# Altium PCB PCB_Kasli.PCBDOC (part 3 of 16) (continued)
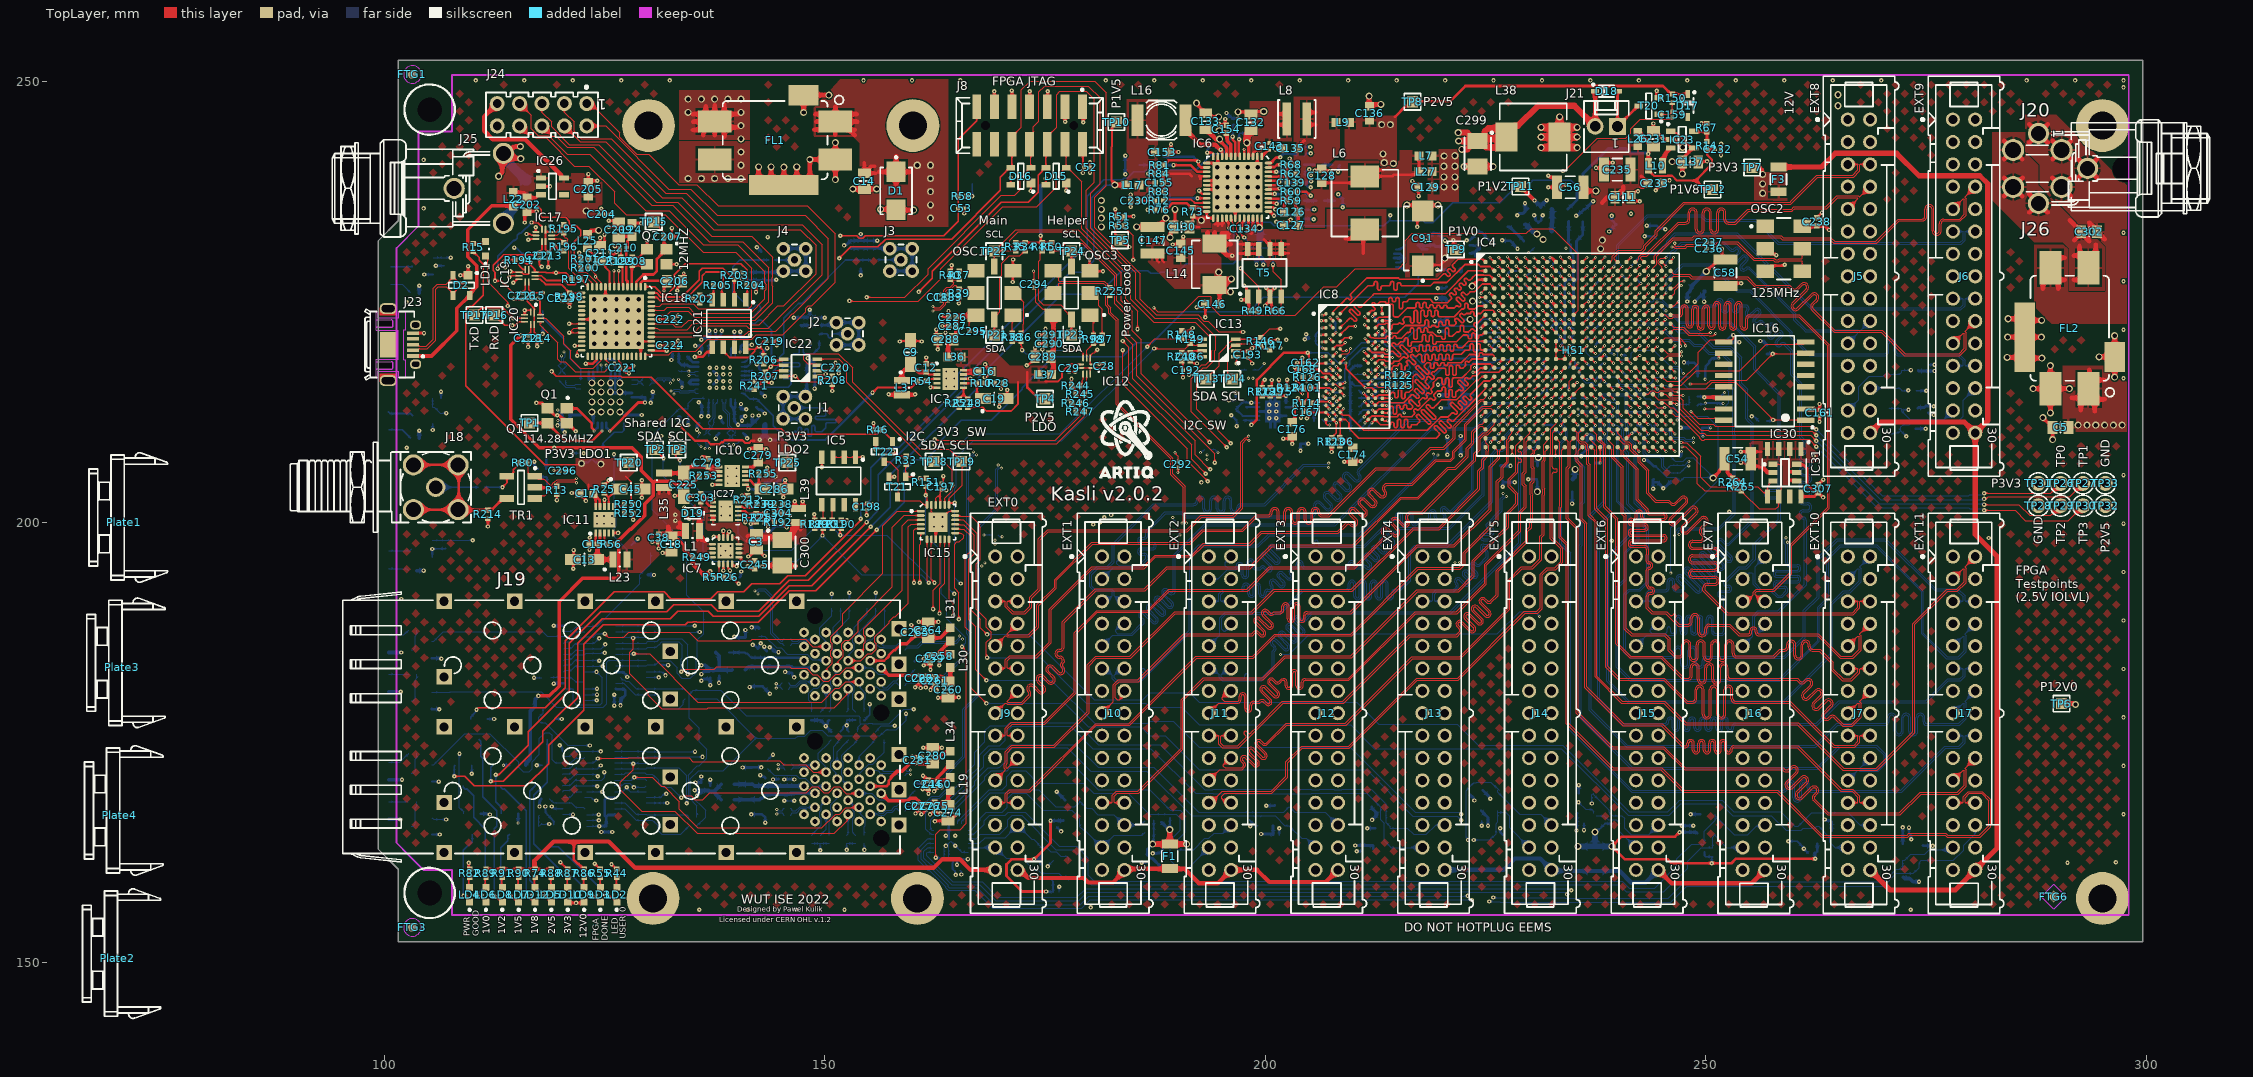
[diagram p0: TopLayer view]
## Part data (continued)
C38 C307: library part CC0402_100NF_16V_10%_X5R, "Non-polarised capacitor", Case=0402, Manufacturer=GENERIC, Manufacturer1 ComponentHeight=0.55mm, Manufacturer1 Example=MURATA, Manufacturer1 Part Number=GRM155R61C104KA88D, Tolerance=±10%, Voltage=16V, Author="CERN DEM JLC", Component Type=Standard, HelpURL=\\cern.ch\dfs\Applications\Altium\Datasheets\CC0402_X5R_MURATA_GRM.pdf, Manufacturer Part Number=CC0402_100NF_16V_10%_X5R, Mounted=Yes, Part Description="SMD Multilayer Chip Ceramic Capacitor", Part Number=CC0402_100NF_16V_10%_X5R, Pin Count=2, Sense=No, SMD=Yes, Socket=No, Status=None, TC=X5R
  C38: CreateDate=10.12.2013, LatestRevisionDate=10.12.2013
  C307: CreateDate=2013-12-10, LatestRevisionDate=2013-12-10
C43 C44 C46 C47 C48 C144 C175 C194 C195 C238: library part CC0402_10NF_16V_10%_X7R, "Non-polarised capacitor", Case=0402, Manufacturer=GENERIC, Manufacturer1 ComponentHeight=0.55mm, Manufacturer1 Example=PHYCOMP, Manufacturer1 Part Number=223878715636, Tolerance=±10%, Voltage=16V, Author="CERN DEM JLC", Component Type=Standard, CreateDate=03.12.2007, HelpURL=\\cern.ch\dfs\Applications\Altium\Datasheets\CC0402_X7R_PHYCOMP.pdf, LatestRevisionDate=03.12.2007, Manufacturer Part Number=CC0402_10NF_16V_10%_X7R, Mounted=Yes, Part Description="SMD Multilayer Chip Ceramic Capacitor", Part Number=CC0402_10NF_16V_10%_X7R, Pin Count=2, Sense=No, SMD=Yes, Socket=No, Status="Not Recommended", TC=X7R
C50 C57 C60 C101 C127 C128 C129 C135 C136 C141 C145 C146 C148 C149 C153 C173 C174 C176 C205 C233 C240: library part CC0603_22UF_6.3V_20%_X5R, "Non-polarised capacitor", Case=0603, Manufacturer=GENERIC, Manufacturer1 ComponentHeight=1mm, Manufacturer1 Example=TDK, Manufacturer1 Part Number=C1608X5R0J226M080AC, Tolerance=±20%, Voltage=6.3V, Author="CERN DEM JLC", Component Type=Standard, CreateDate=16.12.2013, HelpURL=\\cern.ch\dfs\Applications\Altium\Datasheets\CC0603_X5R_TDK_C.pdf, LatestRevisionDate=13.09.2016, Manufacturer Part Number=CC0603_22UF_6.3V_20%_X5R, Mounted=Yes, Part Description="SMD Multilayer Chip Ceramic Capacitor", Part Number=CC0603_22UF_6.3V_20%_X5R, Pin Count=2, Sense=No, SMD=Yes, Socket=No, Status=None, TC=X5R
  C50 C57 C60 C101 C205 C240: ClassName=Artix
C54 C147 C235: library part CC1210_47UF_10V_10%_X7R, "Non-polarised capacitor", Case=1210, Manufacturer=GENERIC, Manufacturer1 ComponentHeight=2.7mm, Manufacturer1 Example=MURATA, Manufacturer1 Part Number=GRM32ER71A476KE15, Tolerance=±10%, Voltage=10V, Author="CERN DEM BC", Component Type=Standard, CreateDate=18.11.2015, HelpURL=\\cern.ch\dfs\Applications\Altium\Datasheets\CC1210_X7R_MURATA.pdf, LatestRevisionDate=18.11.2015, Manufacturer Part Number=CC1210_47UF_10V_10%_X7R, Mounted=Yes, Part Description="SMD Multilayer Chip Ceramic Capacitor", Part Number=CC1210_47UF_10V_10%_X7R, Pin Count=2, Sense=No, SMD=Yes, Socket=No, Status=None, TC=X7R
C55 C61 C62 C63 C64 C65 C68 C69 C70 C73 C74 C75 C78 C79 C80 C83 C84 C85 C88 C89 C90 C95 C97 C98 C99 C100 C102 C103 C104 C105 C106 C107 C108 C117 C118 C119 C121 C242: library part CC0201_470NF_4V_20%_X5R, "Non-polarised capacitor", Case=0201, Manufacturer=GENERIC, Manufacturer1 ComponentHeight=0.33mm, Manufacturer1 Example="TAIYO YUDEN", Manufacturer1 Part Number=AMK063BJ474MP-F, Tolerance=±20%, Voltage=4V, Author="CERN DEM JLC", Component Type=Standard, CreateDate=27.05.2010, HelpURL=\\cern.ch\dfs\Applications\Altium\Datasheets\CC0201_X5R_TAIYO-YUDEN_STANDARD-CLASS2.pdf, LatestRevisionDate=27.05.2010, Manufacturer Part Number=CC0201_470NF_4V_20%_X5R, Mounted=Yes, Part Description="SMD Multilayer Chip Ceramic Capacitor", Part Number=CC0201_470NF_4V_20%_X5R, Pin Count=2, Sense=No, SMD=Yes, Socket=No, Status="Not Recommended", TC=X5R
  C61 C62 C63 C64 C65 C95 C97 C98 C99 C100: ClassName=Artix
C56 C58: library part CC1210_100UF_6.3V_20%_X5R, "Non-polarised capacitor", Case=1210, Manufacturer=GENERIC, Manufacturer1 ComponentHeight=2.7mm, Manufacturer1 Example=MURATA, Manufacturer1 Part Number=GRM32ER60J107ME20L, Tolerance=±20%, Voltage=6.3V, Author="CERN DEM JLC", Component Type=Standard, CreateDate=19.04.2010, HelpURL=\\cern.ch\dfs\Applications\Altium\Datasheets\CC1210_X5R_MURATA.pdf, LatestRevisionDate=19.04.2010, Manufacturer Part Number=CC1210_100UF_6.3V_20%_X5R, Mounted=Yes, Part Description="SMD Multilayer Chip Ceramic Capacitor", Part Number=CC1210_100UF_6.3V_20%_X5R, Pin Count=2, Sense=No, SMD=Yes, Socket=No, Status=Preferred, TC=X5R
C59 C66 C67 C71 C72 C76 C77 C81 C82 C86 C87 C92 C93 C94 C96 C109 C110 C111 C206 C209 C211 C288 C289: library part CC0805_4.7UF_10V_10%_X5R, "Non-polarised capacitor", Case=0805, Manufacturer=GENERIC, Manufacturer1 ComponentHeight=1.45mm, Manufacturer1 Example=PHYCOMP, Manufacturer1 Part Number=222224013672, Tolerance=±10%, Voltage=10V, Author="CERN DEM JLC", Component Type=Standard, CreateDate=03.12.2007, HelpURL=\\cern.ch\dfs\Applications\Altium\Datasheets\CC0805_X5R_PHYCOMP_HC.pdf, LatestRevisionDate=03.12.2007, Manufacturer Part Number=CC0805_4.7UF_10V_10%_X5R, Mounted=Yes, Part Description="SMD Multilayer Chip Ceramic Capacitor", Part Number=CC0805_4.7UF_10V_10%_X5R, Pin Count=2, Sense=No, SMD=Yes, Socket=No, Status=Preferred, TC=X5R
C91: library part CTE7343-19_330UF_2.5V_20%_LESR0025_KEMET_T520, "Polarised capacitor", Case=V, Manufacturer=KEMET, Manufacturer Part Number=T520V337M2R5ATE025, Tolerance=±20%, Voltage=2.5V, Author="CERN DEM MR", ComponentHeight=1.9mm, Component Type=Standard, CreateDate=23.03.2016, HelpURL=\\cern.ch\dfs\Applications\Altium\Datasheets\CTE-LESR_KEMET_T520.pdf, LatestRevisionDate=23.03.2016, Mounted=Yes, Part Description="Low ESR 0R025 Tantalum Chip Capacitor", Part Number=CTE7343-19_330UF_2.5V_20%_LESR0025_KEMET_T520, Pin Count=2, Sense=No, SMD=Yes, Socket=No, Status=None
C126: library part CC0603_56PF_50V_5%_NP0, "Non-polarised capacitor", Case=0603, Manufacturer=GENERIC, Manufacturer1 ComponentHeight=0.87mm, Manufacturer1 Example=PHYCOMP, Manufacturer1 Part Number=223886715569, Tolerance=±5%, Voltage=50V, Author="CERN DEM JLC", Component Type=Standard, CreateDate=03.12.2007, HelpURL=\\cern.ch\dfs\Applications\Altium\Datasheets\CC0603_NP0_PHYCOMP.pdf, LatestRevisionDate=03.12.2007, Manufacturer Part Number=CC0603_56PF_50V_5%_NP0, Mounted=Yes, Part Description="SMD Multilayer Chip Ceramic Capacitor", Part Number=CC0603_56PF_50V_5%_NP0, Pin Count=2, Sense=No, SMD=Yes, Socket=No, Status=Preferred, TC=C0G/NP0
C139 C155: library part CC0402_68PF_50V_5%_C0G, "Non-polarised capacitor", Case=0402, Manufacturer=GENERIC, Manufacturer1 ComponentHeight=0.55mm, Manufacturer1 Example=KEMET, Manufacturer1 Part Number=C0402C680J5GACTU, Tolerance=±5%, Voltage=50V, Author="CERN DEM JLC", Component Type=Standard, CreateDate=03.12.2007, HelpURL="\\cern.ch\dfs\Applications\Altium\Datasheets\CC0805_C0G_KEMET_(Commercial Grade).pdf", LatestRevisionDate=22.04.2015, Manufacturer Part Number=CC0402_68PF_50V_5%_C0G, Mounted=Yes, Part Description="SMD Multilayer Chip Ceramic Capacitor", Part Number=CC0402_68PF_50V_5%_C0G, Pin Count=2, Sense=No, SMD=Yes, Socket=No, Status=Preferred, TC=C0G/NP0
C150: library part CC0402_150PF_50V_5%_C0G, "Non-polarised capacitor", Case=0402, Manufacturer=GENERIC, Manufacturer1 ComponentHeight=0.55mm, Manufacturer1 Example=KEMET, Manufacturer1 Part Number=C0402C151J5GACTU, Tolerance=±5%, Voltage=50V, Author="CERN DEM JLC", Component Type=Standard, CreateDate=03.12.2007, HelpURL="\\cern.ch\dfs\Applications\Altium\Datasheets\CC0805_C0G_KEMET_(Commercial Grade).pdf", LatestRevisionDate=22.04.2015, Manufacturer Part Number=CC0402_150PF_50V_5%_C0G, Mounted=Yes, Part Description="SMD Multilayer Chip Ceramic Capacitor", Part Number=CC0402_150PF_50V_5%_C0G, Pin Count=2, Sense=No, SMD=Yes, Socket=No, Status=Preferred, TC=C0G/NP0
C152: library part CC0603_1.2NF_50V_10%_X7R, "Non-polarised capacitor", Case=0603, Manufacturer=GENERIC, Manufacturer1 ComponentHeight=0.87mm, Manufacturer1 Example=PHYCOMP, Manufacturer1 Part Number=223858615624, Tolerance=±10%, Voltage=50V, Author="CERN DEM JLC", Component Type=Standard, CreateDate=03.12.2007, HelpURL=\\cern.ch\dfs\Applications\Altium\Datasheets\CC0603_X7R_PHYCOMP.pdf, LatestRevisionDate=03.12.2007, Manufacturer Part Number=CC0603_1.2NF_50V_10%_X7R, Mounted=Yes, Part Description="SMD Multilayer Chip Ceramic Capacitor", Part Number=CC0603_1.2NF_50V_10%_X7R, Pin Count=2, Sense=No, SMD=Yes, Socket=No, Status=Preferred, TC=X7R
C186: library part CC0402_100PF_50V_5%_C0G, "Non-polarised capacitor", Case=0402, Manufacturer=GENERIC, Manufacturer1 ComponentHeight=0.55mm, Manufacturer1 Example=KEMET, Manufacturer1 Part Number=C0402C101J5GACTU, Tolerance=±5%, Voltage=50V, Author="CERN DEM JLC", Component Type=Standard, CreateDate=03.12.2007, HelpURL="\\cern.ch\dfs\Applications\Altium\Datasheets\CC0805_C0G_KEMET_(Commercial Grade).pdf", LatestRevisionDate=22.04.2015, Manufacturer Part Number=CC0402_100PF_50V_5%_C0G, Mounted=Yes, Part Description="SMD Multilayer Chip Ceramic Capacitor", Part Number=CC0402_100PF_50V_5%_C0G, Pin Count=2, Sense=No, SMD=Yes, Socket=No, Status=Preferred, TC=C0G/NP0
C202: library part CC0603_10UF_6.3V_20%_X5R, "Non-polarised capacitor", Case=0603, Manufacturer=GENERIC, Manufacturer1 ComponentHeight=0.95mm, Manufacturer1 Example=KEMET, Manufacturer1 Part Number=C0603C106M9PAC, Manufacturer Part Number=CC0603_10uF_6.3V_20%_X5R, Tolerance=±20%, Voltage=6.3V, Author="CERN DEM JLC", Component Type=Standard, CreateDate=2007-12-03, HelpURL=\\cern.ch\dfs\Applications\Altium\Datasheets\CC0603_X5R_KEMET.pdf, LatestRevisionDate=2007-12-03, Mounted=Yes, Part Description="SMD Multilayer Chip Ceramic Capacitor", Part Number=CC0603_10UF_6.3V_20%_X5R, Pin Count=2, Sense=No, SMD=Yes, Socket=No, Status=Preferred, TC=X5R
C207 C208 C243: library part CC0402_22PF_50V_5%_C0G, "Non-polarised capacitor", Case=0402, Manufacturer=GENERIC, Manufacturer1 ComponentHeight=0.55mm, Manufacturer1 Example=KEMET, Manufacturer1 Part Number=C0402C220J5GACTU, Tolerance=±5%, Voltage=50V, Author="CERN DEM JLC", Component Type=Standard, HelpURL="\\cern.ch\dfs\Applications\Altium\Datasheets\CC0805_C0G_KEMET_(Commercial Grade).pdf", Manufacturer Part Number=CC0402_22PF_50V_5%_C0G, Mounted=Yes, Part Description="SMD Multilayer Chip Ceramic Capacitor", Part Number=CC0402_22PF_50V_5%_C0G, Pin Count=2, Sense=No, SMD=Yes, Socket=No, Status=Preferred, TC=C0G/NP0
  C207 C208: CreateDate=03.12.2007, LatestRevisionDate=03.12.2007
  C243: CreateDate=2007-12-03, LatestRevisionDate=2007-12-03
C230: library part CC0402_2.2NF_50V_10%_X7R, "Non-polarised capacitor", Case=0402, Manufacturer=GENERIC, Manufacturer1 ComponentHeight=0.55mm, Manufacturer1 Example=PHYCOMP, Manufacturer1 Part Number=223858715627, Tolerance=±10%, Voltage=50V, Author="CERN DEM JLC", Component Type=Standard, CreateDate=03.12.2007, HelpURL=\\cern.ch\dfs\Applications\Altium\Datasheets\CC0402_X7R_PHYCOMP.pdf, LatestRevisionDate=03.12.2007, Manufacturer Part Number=CC0402_2.2NF_50V_10%_X7R, Mounted=Yes, Part Description="SMD Multilayer Chip Ceramic Capacitor", Part Number=CC0402_2.2NF_50V_10%_X7R, Pin Count=2, Sense=No, SMD=Yes, Socket=No, Status="Not Recommended", TC=X7R
C299 C300: library part CTE3528-21_33UF_16V_10%, "Polarised capacitor", Case=B, Manufacturer=GENERIC, Manufacturer1 ComponentHeight=2.1mm, Manufacturer1 Example=AVX, Manufacturer1 Part Number=TAJB336K016R, Tolerance=±10%, Voltage=16V, Author="CERN DEM JLC", Component Type=Standard, CreateDate=03.12.2007, HelpURL=\\cern.ch\dfs\Applications\Altium\Datasheets\CTE_AVX_TAJ.pdf, LatestRevisionDate=03.12.2007, Manufacturer Part Number=CTE3528-21_33UF_16V_10%, Mounted=Yes, Part Description="Solid Tantalum Chip Capacitor", Part Number=CTE3528-21_33UF_16V_10%, Pin Count=2, Sense=No, SMD=Yes, Socket=No, Status=Preferred
C303: library part CC0402_470NF_50V_10%_X5R, "Non-polarised capacitor", Case=0402, Manufacturer=GENERIC, Manufacturer1 ComponentHeight=0.55mm, Manufacturer1 Example=MURATA, Manufacturer1 Part Number=GRM155R61H474KE11, Tolerance=±10%, Voltage=50V, Author="CERN DEM MR", Component Type=Standard, CreateDate=2017-10-12, HelpURL=\\cern.ch\dfs\Applications\Altium\Datasheets\CC0402_X5R_MURATA_GRM.pdf, LatestRevisionDate=2017-10-12, Manufacturer Part Number=CC0402_470NF_50V_10%_X5R, Mounted=Yes, Part Description="SMD Multilayer Chip Ceramic Capacitor", Part Number=CC0402_470NF_50V_10%_X5R, Pin Count=2, Sense=No, SMD=Yes, Socket=No, Status=Preferred, TC=X5R
C304: library part CC0402_680PF_50V_5%_X7R, "Non-polarised capacitor", Case=0402, Manufacturer=GENERIC, Manufacturer1 ComponentHeight=0.55mm, Manufacturer1 Example=PHYCOMP, Manufacturer1 Part Number=223858715621, Manufacturer Part Number=CC0402_680PF_50V_10%_X7R, Tolerance=±10%, Voltage=50V, Author="CERN DEM JLC", Component Type=Standard, CreateDate=2007-12-03, HelpURL=\\cern.ch\dfs\Applications\Altium\Datasheets\CC0402_NP0_PHYCOMP.pdf, LatestRevisionDate=2007-12-03, Mounted=Yes, Part Description="SMD Multilayer Chip Ceramic Capacitor", Part Number=CC0402_680PF_50V_5%_X7R, Pin Count=2, Sense=No, SMD=Yes, Socket=No, Status="Not Recommended", TC=X7R
D1: "Zener Diode", Case=DO-214AA, Manufacturer="FAIRCHILD SEMICONDUCTOR", Power=600W, Voltage=12V, Author="CERN DEM JLC", Bonding=No, ComponentHeight=2.65mm, Component Type=Standard, CreateDate=10.04.2013, Device=SMBJ12A, HelpURL=\\cern.ch\dfs\Applications\Altium\Datasheets\SMBJ.pdf, LatestRevisionDate=10.04.2013, Manufacturer Part Number=SMBJ12A, Mounted=Yes, PackageDescription="DO-214-AA/SMB Diode, Molded Body; 5.34mm L X 3.625mm W X 2.65mm H, IPC Medium Density", Part Description="Uni-Directional Transient Voltage Suppressor Diode", Part Number=SMBJ12A, Pin Count=2, PressFit=No, Sense=No, SMD=Yes, Socket=No
D2 D3 D4 D5 D6 D7 D8 D9 D10 D11 D12 D13 D14 D15 D16: "Ultra Low Capacitance Double Rail-to-Rail ESD Protection Diode", Case=SOT143B, Manufacturer="NXP SEMICONDUCTORS", Voltage=5.5V, Author="CERN DEM JLC", Bonding=No, ComponentHeight=1.1mm, Component Type=Standard, CreateDate=22.03.2011, Device=PRTR5V0U2X, HelpURL=\\cern.ch\dfs\Applications\Altium\Datasheets\PRTR5V0U2X.pdf, LatestRevisionDate=22.03.2011, Manufacturer Part Number=PRTR5V0U2X, Mounted=Yes, PackageDescription="SOT143B, SOT, 1.90mm Pitch; 4 Pin, 1.30mm W X 2.90mm L X 1.10mm H body, IPC Medium Density", Part Description="Ultra Low Capacitance (1pF) Double Rail-to-Rail ESD Protection Diode (8kV)", Part Number=PRTR5V0U2X, Pin Count=4, PressFit=No, Sense=No, SMD=Yes, Socket=No
D17 D18: "Schottky Diode", Case=SOD323, Manufacturer=INFINEON, Power=750mA, Voltage=40V, Author="CERN DEM JLC", Bonding=No, ComponentHeight=1.1mm, Component Type=Standard, CreateDate=12.11.2014, Device=BAT165, HelpURL=\\cern.ch\dfs\Applications\Altium\Datasheets\BAT165.pdf, LatestRevisionDate=12.11.2014, Manufacturer Part Number=BAT165, Mounted=Yes, PackageDescription="Small Outline Diode (SOD-323), 1.70mm W X 1.25mm L X 1.10mm H body,  IPC Medium Density", Part Description="Medium Power AF Schottky Diode", Part Number=BAT165, Pin Count=2, PressFit=No, Sense=No, SMD=Yes, Socket=No
D19: "Schottky Diode", Manufacturer=Nexperia, Device=PMEG2010AEB,115, Manufacturer Part Number=PMEG2010AEB,115
F1 F2 F3: library part FUSR_LITTELFUSE_1206L012, "Fuse", Manufacturer=LITTELFUSE, Manufacturer Part Number=1206L012WR, Author="CERN DEM JLC", ComponentHeight=1.45mm, Component Type=Standard, CreateDate=19.12.2011, Family="Fuses Resettable", HelpURL=\\cern.ch\dfs\Applications\Altium\Datasheets\FUSR_LITTELFUSE_1206L012.pdf, LatestRevisionDate=19.12.2011, Mounted=Yes, PackageDescription="Surface Mount POLY-FUSE® Resettable PTC, 1206L Series", Part Description="POLYFUSE® Surface Mount Resettable PTC", Part Number=FUSR_LITTELFUSE_1206L012, Pin Count=2, PressFit=No, Sense=No, SMD=Yes, Socket=No
FL1 FL2: library part FIL_MURATA_BNX022-01L, "Block Type EMIFIL (LC Combined)", Manufacturer=MURATA, Manufacturer Part Number=BNX022-01L, Resistance=0.5R, Author="CERN DEM JLC", ComponentHeight=3.3mm, Component Type=Standard, CreateDate=10.10.2012, HelpURL=\\cern.ch\dfs\Applications\Altium\Datasheets\FIL_MURATA_BNX022-01L.pdf, LatestRevisionDate=10.10.2012, Mounted=Yes, Part Description="Block Type EMIFIL (LC Combined) SMD Type, BNX02* Series", Part Number=FIL_MURATA_BNX022-01L, Pin Count=2, Sense=No, SMD=Yes, Socket=No, Status=None
FTG1 FTG3 FTG4 FTG5: library part FIDUCIAL_TARGET_C100-200, "Fiducial Target", Author="CERN DEM JLC", ComponentHeight=0mm, Component Type="Standard (No BOM)", CreateDate=09.02.2010, Family=Fiducial, HelpURL=Undefined, LatestRevisionDate=04.04.2012, Mounted=No, PackageDescription="Round Fiducial Target, Top Layer, 1.0mm, Top Solder 2.0mm, Keepout =2.0mm", Part Description="Round Fiducial Target, Top Layer, 1.0mm, Top Solder 2.0mm, Keepout =2.0mm", Part Number=FIDUCIAL_TARGET_C100-200, Pin Count=1, Sense=No, SMD=Yes, Socket=No, Status=None
FTG2 FTG6: library part FIDUCIAL_TARGET_S100-200, "Fiducial Target", Author="CERN DEM JLC", ComponentHeight=0mm, Component Type="Standard (No BOM)", CreateDate=09.02.2010, Family=Fiducial, HelpURL=Undefined, LatestRevisionDate=04.04.2012, Mounted=No, PackageDescription="Square Fiducial Target, Top Layer, 1.0mm, Top Solder 2.0mm, Keepout =2.0mm", Part Description="Square Fiducial Target, Top Layer, 1.0mm, Top Solder 2.0mm, Keepout =2.0mm", Part Number=FIDUCIAL_TARGET_S100-200, Pin Count=1, Sense=No, SMD=Yes, Socket=No, Status=None
HS1: "Heat Sink Without Pad", Manufacturer="Radian Thermal Products, Inc.", Manufacturer Part Number=FI23+BU+T725, ComponentHeight="16 mm", HelpURL=https://www.radianheatsinks.com/product/fi23/, Part Description="23 x 23 x 16 mm, clip on heatsink with fan for IC design BGA and others"
IC1: "Two Selectable Inputs, 8 LVPECL Outputs, SiGe Clock Fanout Buffer", Case=QFN32, Manufacturer="ANALOG DEVICES", Author="CERN DEM MR", Bonding=No, ComponentHeight=0.8mm, Component Type=Standard, CreateDate=2016-11-30, Device=ADCLK948BCPZ, HelpURL=\\cern.ch\dfs\Applications\Altium\Datasheets\ADCLK948BCPZ.pdf, LatestRevisionDate=2016-11-30, Manufacturer Part Number=ADCLK948BCPZ, Mounted=Yes, PackageDescription="QFN, 0.50mm Pitch, Square; 8 Pin X 8 Pin, 5mm X 5mm X 1.00mm H body (w/thermal tab 2.85 X 2.85mm),  IPC Medium Density", Part Description="Two Selectable Inputs, 8 LVPECL Outputs, SiGe Clock Fanout Buffer", Part Number=ADCLK948BCPZ, Pin Count=33, PressFit=No, Sense=No, SMD=Yes, Socket=No
IC2: "Any Frequency Precision Clock Multiplier/Jitter Attenuator", Case=QFN36, Manufacturer="SILICON LABS", Author="CERN DEM JLC", Bonding=No, ComponentHeight=0.9mm, Component Type=Standard, CreateDate=19.08.2013, Device=Si5324C-C-GM, HelpURL=\\cern.ch\dfs\Applications\Altium\Datasheets\Si5324C-C-GM.pdf, LatestRevisionDate=19.08.2013, Manufacturer Part Number=Si5324C-C-GM, Mounted=Yes, PackageDescription="QFN, 0.50mm Pitch, Square; 36 Pin, 6.00mm L X 6.00mm W X 0.90mm H Body (w/thermal tab 4.25m x 4.25mm), IPC Medium Density", Part Description="Any Frequency Precision Clock Multiplier/Jitter Attenuator", Part Number=Si5324C-C-GM, Pin Count=37, PressFit=No, Sense=No, SMD=Yes, Socket=No
IC3 IC10 IC11: "20V, 500mA, Ultralow Noise, Ultrahigh PSRR Linear Regulator", Case=SON10, Manufacturer="LINEAR TECHNOLOGY", Author="CERN DEM JLC", Bonding=No, ComponentHeight=0.8mm, Component Type=Standard, CreateDate=07.12.2016, Device=LT3045EDD#PBF, HelpURL=\\cern.ch\dfs\Applications\Altium\Datasheets\LT3045EDD#PBF.pdf, LatestRevisionDate=07.12.2016, Manufacturer Part Number=LT3045EDD#PBF, Mounted=Yes, PackageDescription="SON, 0.50mm Pitch, 10-pin, 3.00mm W  X 3.00mm L X 0.80mm Height, (w/thermal tab 1.75 X 2.48 mm), IPC Medium Density", Part Description="20V, 500mA, Ultralow Noise, Ultrahigh PSRR Linear Regulator", Part Number=LT3045EDD#PBF, Pin Count=11, PressFit=No, Sense=No, SMD=Yes, Socket=No
IC4: "Artix-7 FPGA, 285 User I/Os, 4 GTP, 484-Ball BGA, Speed Grade 3, Extended Temperature Grade, Pb-Free", Case=BGA484, Manufacturer=XILINX, Author="CERN DEM BC", Bonding=No, ComponentHeight=2.6mm, ComponentLink1Description=Package/Pinout, ComponentLink1URL=\\cern.ch\dfs\Applications\Altium\Datasheets\XC7A100T-3FGG484E_Package-Pinout.pdf, ComponentLink2Description=Pinout, ComponentLink2URL=\\cern.ch\dfs\Applications\Altium\Datasheets\XC7A100T-3FGG484E_Pinout.pdf, Component Type=Standard, CreateDate=18.10.2019, Device=XC7A100T-3FGG484E, HelpURL=\\cern.ch\dfs\Applications\Altium\Datasheets\XC7A100T-3FGG484E.pdf, LatestRevisionDate=18.10.2019, Manufacturer Part Number=XC7A100T-3FGG484E, Mounted=Yes, PackageDescription="BGA, 1.00mm Pitch, Square; 484 Pin, 22 Columns X 22 Rows, Body 23.00mm X 23.00mm X 2.60mm H, IPC Medium Density", Part Description="Artix-7 FPGA, 285 User I/Os, 4 GTP, 484-Ball BGA, Speed Grade 3, Extended Temperature Grade, Pb-Free", Part Number=XC7A100T-3FGG484E, Pin Count=484, PressFit=No, Sense=No, SMD=Yes, Socket=No
IC5 IC31: "1.7V-5.5V, 2K I2C™ Serial EEPROMs with EUI-48™ Node Identity", Case=SOIC8, Manufacturer="MICROCHIP TECHNOLOGY", Author="CERN DEM MR", Bonding=No, ComponentHeight=1.75mm, Component Type=Standard, Device=24AA025E48-I/SN, HelpURL=\\cern.ch\dfs\Applications\Altium\Datasheets\24AA025E48-I-SN.pdf, Manufacturer Part Number=24AA025E48-I/SN, Mounted=Yes, Part Description="1.7V-5.5V, 2K I2C™ Serial EEPROMs with EUI-48™ Node Identity", Part Number=24AA025E48-I/SN, Pin Count=8, PressFit=No, Sense=No, SMD=Yes, Socket=No
  IC5: CreateDate=19.07.2016, LatestRevisionDate=19.07.2016, PackageDescription="SOIC 8, Pitch 1.27mm - Body 4x5mm, IPC Medium Density"
  IC31: CreateDate=2016-07-19, LatestRevisionDate=2016-07-19, PackageDescription="SOIC, 1.27mm Pitch; 8 Pin - Body 4x5mm, IPC Medium Density"
IC6: "5-Channel Integrated Power Solution with Quad buck Regulators and 200mA LDO Regulator", Case=QFN48, Manufacturer="ANALOG DEVICES", Author="CERN DEM BC", Bonding=No, ComponentHeight=0.8mm, Component Type=Standard, CreateDate=2015-07-30, Device=ADP5052ACPZ, HelpURL=\\cern.ch\dfs\Applications\Altium\Datasheets\ADP5052ACPZ.pdf, LatestRevisionDate=2015-07-30, Manufacturer Part Number=ADP5052ACPZ, Mounted=Yes, PackageDescription="QFN, 0.50mm pitch,square; 12 pin X 12 pin, 7mm X 7mm X 0.8mm H body (w/thermal tab 5.70 X 5.70mm),  IPC Medium Density", Part Description="5-Channel Integrated Power Solution with Quad buck Regulators and 200mA LDO Regulator", Part Number=ADP5052ACPZ, Pin Count=49, PressFit=No, Sense=No, SMD=Yes, Socket=No
IC7: "4-17V 1A Step-Down Converter with DCS-Control", Case=QFN16, Manufacturer="TEXAS INSTRUMENTS", Author="CERN DEM JLC", Bonding=No, ComponentHeight=1.0mm, Component Type=Standard, CreateDate=20.01.2015, Device=TLV62150RGTT, HelpURL=\\cern.ch\dfs\Applications\Altium\Datasheets\TLV62150RGTT.pdf, LatestRevisionDate=20.01.2015, Manufacturer Part Number=TLV62150RGTT, Mounted=Yes, PackageDescription="QFN, 0.50mm Pitch, Square; 4 Pin X 4 Pin, 3mm X 3mm X 1.00mm H Body (w/thermal tab 1.80 X 1.80mm),  IPC Medium Density", Part Description="4-17V to 0.9-5V, Iout (max), 1A Step-Down Converter with DCS-Control", Part Number=TLV62150RGTT, Pin Count=17, PressFit=No, Sense=No, SMD=Yes, Socket=No
IC8: "32 Meg x 16 x 8 Banks DDR3L SDRAM", Case=BGA96, Manufacturer="MICRON TECHNOLOGY", Author="CERN DEM MR", Bonding=No, ComponentHeight=1.2mm, Component Type=Standard, CreateDate=2015-12-14, Device=MT41K256M16TW-107:P, HelpURL=\\cern.ch\dfs\Applications\Altium\Datasheets\MT41K256M16TW-107-P.pdf, LatestRevisionDate=2015-12-14, Manufacturer Part Number=MT41K256M16TW-107:P, Mounted=Yes, PackageDescription="BGA 0.8mm, Pitch, Square 96 Pin, 9 Columns x 16 Rows, Body 14mm X 8mm X 1.2mm H", Part Description="+1.5V, 4Gb (32Meg x 16 x 8 banks) DDR3L SDRAM", Part Number=MT41K256M16TW-107:P, Pin Count=96, PressFit=No, Sense=No, SMD=Yes, Socket=No
IC9: "Sink/Source DDR Termination Regulator", Case=SON10, Manufacturer="TEXAS INSTRUMENTS", Author="CERN DEM JLC", Bonding=No, ComponentHeight=1mm, Component Type=Standard, CreateDate=03.02.2010, Device=TPS51200DRCT, HelpURL=\\cern.ch\dfs\Applications\Altium\Datasheets\TPS51200DRCT.pdf, LatestRevisionDate=06.11.2013, Manufacturer Part Number=TPS51200DRCT, Mounted=Yes, PackageDescription="SON, 0.50mm Pitch, 10-pin, 3.00mm W  X 3.00mm L X 1.00mm Height, (w/thermal tab 1.75 X 2.50 mm)", Part Description="3.3V Sink/Source DDR Termination Regulator", Part Number=TPS51200DRCT, Pin Count=11, PressFit=No, Sense=No, SMD=Yes, Socket=No
IC12 IC17 IC19 IC20: "Dual-Bit Dual-Supply Bus Transceiver With Configurable Voltage Translation and 3-State Outputs", Case=QFN10, Manufacturer="TEXAS INSTRUMENTS", Author="CERN DEM JLC", Bonding=No, ComponentHeight=0.55mm, Component Type=Standard, CreateDate=07.07.2014, Device=SN74AVC2T245RSWR, HelpURL=\\cern.ch\dfs\Applications\Altium\Datasheets\SN74AVC2T245RSWR.pdf, LatestRevisionDate=30.03.2017, Manufacturer Part Number=SN74AVC2T245RSWR, Mounted=Yes, PackageDescription="QFN, 0.40mm Pitch, Rect.;10 Pin, 1.80mm L X 1.40mm W X 0.55mm H Body, IPC Medium Density", Part Description="Dual-Bit Dual-Supply Bus Transceiver With Configurable Voltage Translation and 3-State Outputs", Part Number=SN74AVC2T245RSWR, Pin Count=10, PressFit=No, Sense=No, SMD=Yes, Socket=No, Status="Not Recommended"
IC13 IC22: "Dual Bidirectional I2C Bus And SMBus Voltage-Level Translator", Case=SSOP8, Manufacturer="TEXAS INSTRUMENTS", Author="CERN DEM JLC", Bonding=No, ComponentHeight=1.3mm, Component Type=Standard, CreateDate=25.02.2013, Device=PCA9306DCTR, HelpURL=\\cern.ch\dfs\Applications\Altium\Datasheets\PCA9306DCTR.pdf, LatestRevisionDate=11.02.2016, Manufacturer Part Number=PCA9306DCTR, Mounted=Yes, PackageDescription="SOP, 0.65mm, Pitch; 8 Pin, 2.80mm W X 2.95mm L X 1.30mm H Body, PC Medium Density", Part Description="Dual Bidirectional I2C Bus And SMBus Voltage-Level Translator", Part Number=PCA9306DCTR, Pin Count=8, PressFit=No, Sense=No, SMD=Yes, Socket=No
IC14 IC15: "Low Voltage 8-Channel I2C Switch With Reset", Case=QFN24, Manufacturer="TEXAS INSTRUMENTS", Author="CERN DEM JLC", Bonding=No, ComponentHeight=1mm, Component Type=Standard, CreateDate=07.07.2014, Device=TCA9548ARGER, HelpURL=\\cern.ch\dfs\Applications\Altium\Datasheets\TCA9548ARGER.pdf, LatestRevisionDate=07.07.2014, Manufacturer Part Number=TCA9548ARGER, Mounted=Yes, PackageDescription="QFN, 0.50mm Pitch, Square; 24 Pin, 4.00mm L X 4.00mm W X 1.00mm H body (w/thermal tab 2.2 X 2.2mm), IPC Medium Density", Part Description="Low Voltage 8-Channel I2C Switch With Reset", Part Number=TCA9548ARGER, Pin Count=25, PressFit=No, Sense=No, SMD=Yes, Socket=No
IC16: "128Mbit, MirrorBit® Flash Non-Volatile Memory CMOS 3.0 Volt Core with Versatile I/O Serial Peripheral Interface with Multi-I/O", Case=SOIC16, Manufacturer=SPANSION, Author="CERN DEM JLC", Bonding=No, ComponentHeight=2.65mm, Component Type=Standard, CreateDate=2014-07-10, Device=S25FL128SAGMFIR01, HelpURL=\\cern.ch\dfs\Applications\Altium\Datasheets\S25FL128SAGMFIR01.pdf, LatestRevisionDate=2014-07-10, Manufacturer Part Number=S25FL128SAGMFIR01, Mounted=Yes, PackageDescription="SOIC 16, Pitch 1.27mm - Body 7.5x10.3mm, IPC Medium Density", Part Description="128Mbit, 133MHz, MirrorBit® Flash Non-Volatile Memory CMOS 3V Core with Versatile I/O Serial Peripheral Interface with Multi-I/O", Part Number=S25FL128SAGMFIR01, Pin Count=11, PressFit=No, Sense=No, SMD=Yes, Socket=No
IC18: "Quad High Speed USB to Multipurpose UART/MPSSE IC", Case=QFN56, Manufacturer="FUTURE TECHNOLOGY DEVICES INTERNATIONAL (FTDI)", Author="CERN DEM JLC", Bonding=No, ComponentHeight=1mm, Component Type=Standard, CreateDate=11.10.2016, Device=FT4232H-56Q, HelpURL=\\cern.ch\dfs\Applications\Altium\Datasheets\FT4232H-56Q.pdf, LatestRevisionDate=11.10.2016, Manufacturer Part Number=FT4232H-56Q, Mounted=Yes, PackageDescription="QFN, 0.50mm Pitch, Square; 56 Pin, 8.00mm L X 8.00mm W X 1.00mm H body (6.1mm X 6.1mm Thermal tab), IPC Medium Density", Part Description="Quad High Speed USB to Multipurpose UART/MPSSE IC", Part Number=FT4232H-56Q, Pin Count=57, PressFit=No, Sense=No, SMD=Yes, Socket=No
IC21: "2.5 to 5.5 V, 1Kb (128x8) Serial Microwire Bus EEPROM", Case=SOIC8, Manufacturer="ST MICROELECTRONICS", Author="CERN DEM JLC", Bonding=No, ComponentHeight=1.75mm, Component Type=Standard, CreateDate=15.11.2012, Device=M93C46-WMN6TP, HelpURL=\\cern.ch\dfs\Applications\Altium\Datasheets\M93C46-WMN6TP.pdf, LatestRevisionDate=15.11.2012, Manufacturer Part Number=M93C46-WMN6TP, Mounted=Yes, PackageDescription="SOIC 8, Pitch 1.27mm - Body 4x5mm, IPC Medium Density", Part Description="1Kbit (128 x 8 bit or 64 x 16 bit) MICROWIRE® Serial Access EEPROM", Part Number=M93C46-WMN6TP, Pin Count=8, PressFit=No, Sense=No, SMD=Yes, Socket=No
IC23: "1.5A High Efficiency Step-Down Converter, Adjustable Output Voltage", Case=SOT23-5, Manufacturer="TEXAS INSTRUMENTS", Author="CERN DEM JMW", Bonding=No, ComponentHeight=1.45mm, Component Type=Standard, CreateDate=29.08.2016, Device=TLV62565DBVT, HelpURL=\\cern.ch\dfs\Applications\Altium\Datasheets\TLV62565DBVT.pdf, LatestRevisionDate=29.08.2016, Manufacturer Part Number=TLV62565DBVT, Mounted=Yes, PackageDescription="SOT, 0.95mm Pitch; 5 Pin, 1.60mm W X 2.90mm L X 1.45mm H Body, IPC Medium Density", Part Description="1.5A High Efficiency Step-Down Converter, Adjustable Output Voltage", Part Number=TLV62565DBVT, Pin Count=5, PressFit=No, Sense=No, SMD=Yes, Socket=No
IC24 IC25: "16-bit I/O Port Expander With Serial Interface", Case=SSOP28, Manufacturer="MICROCHIP TECHNOLOGY", Author="CERN DEM JLC", Bonding=No, ComponentHeight=2mm, Component Type=Standard, CreateDate=2011-01-17, Device=MCP23017-E/SS, HelpURL=\\cern.ch\dfs\Applications\Altium\Datasheets\MCP23017-E-SS.pdf, LatestRevisionDate=2011-01-17, Manufacturer Part Number=MCP23017-E/SS, Mounted=Yes, PackageDescription="SOP, 0.65mm Pitch; 28 pin, 5.30mm W X 10.20mm L X 2.00mm H body, IPC Medium Density", Part Description="16-bit I/O Port Expander With Serial Interface", Part Number=MCP23017-E/SS, Pin Count=28, PressFit=No, Sense=No, SMD=Yes, Socket=No
IC26: "500mA Peak Output LDO Regulator", Case=SOT23-5, Manufacturer="MICROCHIP TECHNOLOGY", Author="CERN DEM WB", Bonding=No, ComponentHeight=1.45mm, Component Type=Standard, CreateDate=2019-04-16, Device=MIC5219-3.3YM5, HelpURL=\\cern.ch\dfs\Applications\Altium\Datasheets\MIC5219-3.3YM5.pdf, LatestRevisionDate=2019-04-16, Manufacturer Part Number=MIC5219-3.3YM5, Mounted=Yes, PackageDescription="SOT, 0.95mm pitch; 5 pin, 1.60mm W X 2.90mm L X 1.45mm H body, IPC Medium Density", Part Description="3.3V 500mA Peak Output Low Drop-Out  (LDO) Regulator", Part Number=MIC5219-3.3YM5, Pin Count=5, PressFit=No, Sense=No, SMD=Yes, Socket=No
IC27: library part CMP-0491-00117-1, "2.2 A, 2.8 MHz Step-Down Switching Regulator, 10-pin SON (DD-10), -40 to 125 degC, Pb-Free", Manufacturer="Linear Technology", Code_JEDEC=MO-229, ComponentLink1Description="Manufacturer URL", ComponentLink1URL=http://www.linear.com/, ComponentLink2Description=Datasheet, ComponentLink2URL=http://cds.linear.com/docs/en/datasheet/1938fa.pdf, ComponentLink3Description="Package Specification", ComponentLink3URL=http://cds.linear.com/docs/en/packaging/DFN_10_05-08-1699.pdf, DatasheetVersion="Rev. A", Mounting Technology="Surface Mount", Number of Outputs=1, PackageDescription="10-Pin Plastic DFN, Body 3 x 3 mm, Pitch 0.5 mm", PackageReference=DD-10, PackageVersion="Rev. C, 06/2010", PartNumber=LT1938EDD#PBF, RoHS=TRUE
IC28 IC29: "Low-Voltage 16-Bit I2C-Bus I/O Port with Interrupt and Reset", Case=TSSOP24, Manufacturer="NXP SEMICONDUCTORS", Author="CERN DEM JMW", Bonding=No, Component Type=Standard, ComponentHeight=1.1mm, CreateDate=2020-08-06, Device=PCA9539APW, HelpURL=\\cern.ch\dfs\Applications\Altium\Datasheets\PCA9539APW.pdf, LatestRevisionDate=2020-08-06, Manufacturer Part Number=PCA9539APW, Mounted=Yes, PackageDescription="SOP, 0.65mm Pitch; 24 Pin, 4.40mm W X 7.80mm L X 1.10mm H body, IPC Medium Density", Part Description="Low-Voltage 16-Bit I2C-Bus I/O Port with Interrupt and Reset", Part Number=PCA9539APW, Pin Count=24, PressFit=No, Sense=No, SMD=Yes, Socket=No
IC30: "1.7V-5.5V, 2K I2C Serial EEPROM With EUI-48 Node Identity", Case=SOT23-6, Manufacturer="MICROCHIP TECHNOLOGY", Author="CERN DEM BC", Bonding=No, Component Type=Standard, ComponentHeight=1.45mm, CreateDate=2019-12-06, Device=24AA025E48T-I/OT, HelpURL=\\cern.ch\dfs\Applications\Altium\Datasheets\24AA025E48T-I-OT.pdf, LatestRevisionDate=2019-12-06, Manufacturer Part Number=24AA025E48T-I/OT, Mounted=Yes, PackageDescription="SOT, 0.95mm pitch; 6 pin, 1.60mm W X 2.90mm L X 1.45mm H body, IPC Medium Density", Part Description="1.7V-5.5V, 2K I2C Serial EEPROM With EUI-48™ Node Identity; Cascadable", Part Number=24AA025E48T-I/OT, Pin Count=6, PressFit=No, Sense=No, SMD=Yes, Socket=No
J1 J2 J3 J4: library part SAMTEC_MMCX-J-P-H-ST-TH1, Manufacturer=SAMTEC, Author="CERN DEM JLC", ComponentHeight=4.35mm, Component Type=Standard, CreateDate=05.12.2012, HelpURL=\\cern.ch\dfs\Applications\Altium\Datasheets\SAMTEC_MMCX-J-P-H-ST-TH1.pdf, LatestRevisionDate=05.12.2012, Manufacturer Part Number=MMCX-J-P-H-ST-TH1, Mounted=Yes, Part Description="Straight Through-hole 50 Ohm Micro Mini RF Jack, MMCX Series", Part Number=SAMTEC_MMCX-J-P-H-ST-TH1, Pin Count=2, PressFit=No, Sense=No, SMD=No, Socket=No, Status=None
J5 J6 J7 J9 J10 J11 J12 J13 J14 J15 J16 J17: library part 3M_N2530-6002RB, "Connector 30 Male", Manufacturer=3M, Manufacturer Part Number=N2530-6002RB, Author="CERN DEM JLC", ComponentHeight=10.03mm, Component Type=Standard, CreateDate=11.02.2009, Family="Header 30", HelpURL=\\cern.ch\dfs\Applications\Altium\Datasheets\3M_N2530-6002RB.pdf, LatestRevisionDate=11.08.2009, Mounted=Yes, Part Description="30 Contacts - Straight .100'' x .100'' Low Profile Four-Wall Header, 2500 Series", Part Number=3M_N2530-6002RB, Pin Count=30, PressFit=No, Sense=No, SMD=No, Socket=No, Status=None
J8: library part MOLEX_87832-1420, "Connector 14 Male", Manufacturer=MOLEX, Manufacturer Part Number=87832-1420, Author="CERN DEM JLC", ComponentHeight=7.6mm, Component Type=Standard, CreateDate=09.09.2008, Family=Milli-Grid™, HelpURL=\\cern.ch\dfs\Applications\Altium\Datasheets\MOLEX_87832-1420.pdf, LatestRevisionDate=09.09.2008, Mounted=Yes, Part Description="2.00mm (.079\") Pitch Milli-Grid™ Header, Surface Mount, Vertical, Shrouded, 14 Circuits,with Locking Windows and Centre Polarization Slot, PCB Locator", Part Number=MOLEX_87832-1420, Pin Count=14, PressFit=No, Sense=No, SMD=Yes, Socket=No, Status=None
J18: library part AMPHENOL_132203, Manufacturer=AMPHENOL, Manufacturer Part Number=132203, Author="CERN DEM MR", ClassName=Connectors, ComponentHeight=10.44mm, Component Type=Standard, CreateDate=2016-10-06, Family=SMA, HelpURL=\\cern.ch\dfs\Applications\Altium\Datasheets\AMPHENOL_132203.pdf, LatestRevisionDate=2016-10-06, Mounted=Yes, Part Description="50 Ohm Through Hole SMA Right Angle PCB Jack", Part Number=AMPHENOL_132203, Pin Count=5, PressFit=No, Sense=No, SMD=No, Socket=No, Status=None
J19: library part AMPHENOL_UE78B212700321, "20 Position SFP  Connector (Small Form-factor Pluggable)", Manufacturer=AMPHENOL, Manufacturer Part Number=UE78B212700321, Author="CERN DEM BC", ComponentHeight=25.45mm, Component Type=Standard, CreateDate=25.10.2019, Family=SFP, HelpURL=\\cern.ch\dfs\Applications\Altium\Datasheets\AMPHENOL_UE78B212700321.pdf, LatestRevisionDate=25.10.2019, Mounted=Yes, Part Description="2x2 SFP Cage (Small Form-factor Pluggable) with 4x20 Positions Integrated Receptacles (Press Fit Tails)", Part Number=AMPHENOL_UE78B212700321, Pin Count=110, PressFit=Yes, Sense=No, SMD=No, Socket=No, Status=None
J20: library part MOLEX_39-30-0040, "Connector 4 Male", Manufacturer=MOLEX, Manufacturer Part Number=39-30-0040, Author="CERN DEM JLC", ComponentHeight=11.4mm, Component Type=Standard, CreateDate=2018-10-02, Family="Mini-Fit Jr.™", HelpURL=\\cern.ch\dfs\Applications\Altium\Datasheets\MOLEX_39-30-0040.pdf, LatestRevisionDate=2018-10-02, Mounted=Yes, Part Description="4.20mm (.165\") Pitch Mini-Fit Jr. Header, Dual Row, Right Angle with Snap-in Plastic Peg PCB Lock, 4 Circuits", Part Number=MOLEX_39-30-0040, Pin Count=4, PressFit=No, Sense=No, SMD=No, Socket=No, Status=None
J21: library part MOLEX_22-27-2021, "Connector 2 Male", Manufacturer=MOLEX, Manufacturer Part Number=22-27-2021, Author="CERN DEM JLC", ComponentHeight=11.7mm, Component Type=Standard, CreateDate=04.12.2008, Family=KK®, HelpURL=\\cern.ch\dfs\Applications\Altium\Datasheets\MOLEX_22-27-2021.pdf, LatestRevisionDate=04.12.2008, Mounted=Yes, Part Description="2.54mm (.100\") Pitch KK® Wire-to-Board Header, Vertical, with Friction Lock, 2 Circuits, Tin (Sn) Plating", Part Number=MOLEX_22-27-2021, Pin Count=2, PressFit=No, Sense=No, SMD=No, Socket=No, Status=None
J23: library part HIROSE_ZX62RD-AB-5P8, "5 Pin + 1 Shield USB Receptacle", Manufacturer="HIROSE (HRS)", Manufacturer Part Number=ZX62RD-AB-5P8, Author="CERN DEM JLC", ClassName=Connectors, ComponentHeight=2.35mm, ComponentLink1Description=Package-Drawing, ComponentLink1URL=\\cern.ch\dfs\Applications\Altium\Datasheets\HIROSE_ZX62RD-AB-5P8_Package-Drawing.pdf, Component Type=Standard, CreateDate=29.10.2014, Family="Micro-USB AB 2.0", HelpURL=\\cern.ch\dfs\Applications\Altium\Datasheets\HIROSE_ZX62RD-AB-5P8.pdf, LatestRevisionDate=29.10.2014, Mounted=Yes, Part Description="Micro-USB 2.0 Right Angle, SMD Type AB - Reverse (Top mount), Shell Through Hole", Part Number=HIROSE_ZX62RD-AB-5P8, Pin Count=7, PressFit=No, Sense=No, SMD=Yes, Socket=No, Status=None
J24: library part SAMTEC_TSW-105-07-L-D-LL, "Connector 10 Male", Manufacturer=SAMTEC, Manufacturer Part Number=TSW-105-07-L-D-LL, Author="CERN DEM JLC", ComponentHeight=8.38mm, Component Type=Standard, CreateDate=2012-01-23, Family="Header 10", HelpURL=\\cern.ch\dfs\Applications\Altium\Datasheets\SAMTEC_TSW-105-07-L-D-LL.pdf, LatestRevisionDate=2012-07-26, Mounted=Yes, Part Description="10 Contacts, Pitch 2.54mm, Dual Row Through Mount  Straight Header With Locking Lead (Lead Length 2.54mm)", Part Number=SAMTEC_TSW-105-07-L-D-LL, Pin Count=10, PressFit=No, Sense=No, SMD=No, Socket=No, Status=None